# Altium PCB PCB main.PcbDoc (part 1 of 2)
Units mm, origin at the board's own origin, x right, y up, seen from the top; angles counter-clockwise.
Board outline 160 x 160 mm, 2 copper layers (Top Layer, Bottom Layer); 108 components, 108 nets, 489 pads, 66 vias.
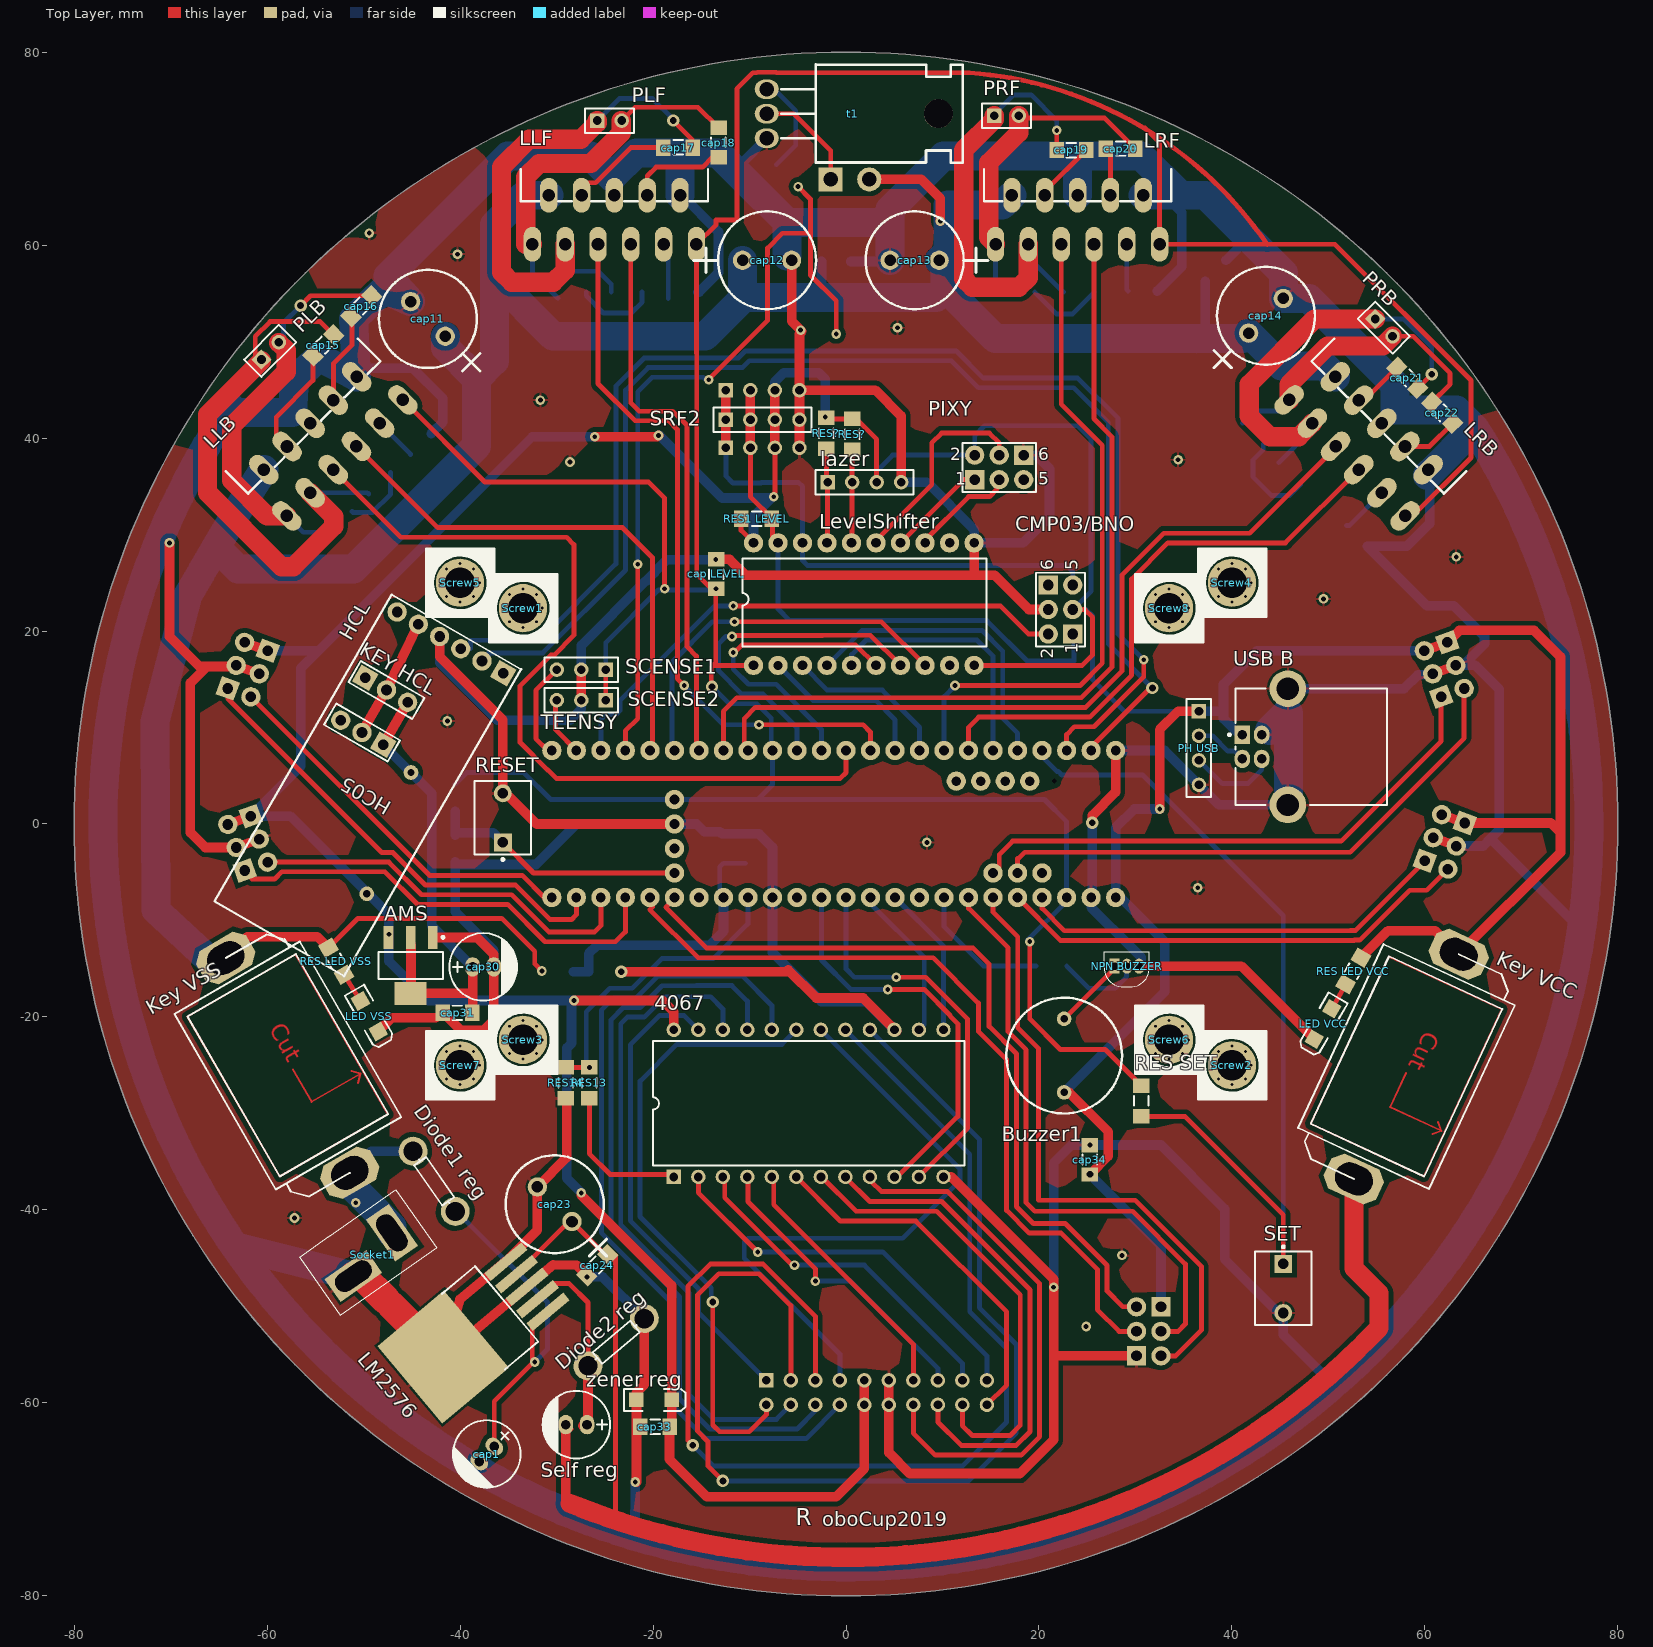
[diagram p0: Top Layer view]
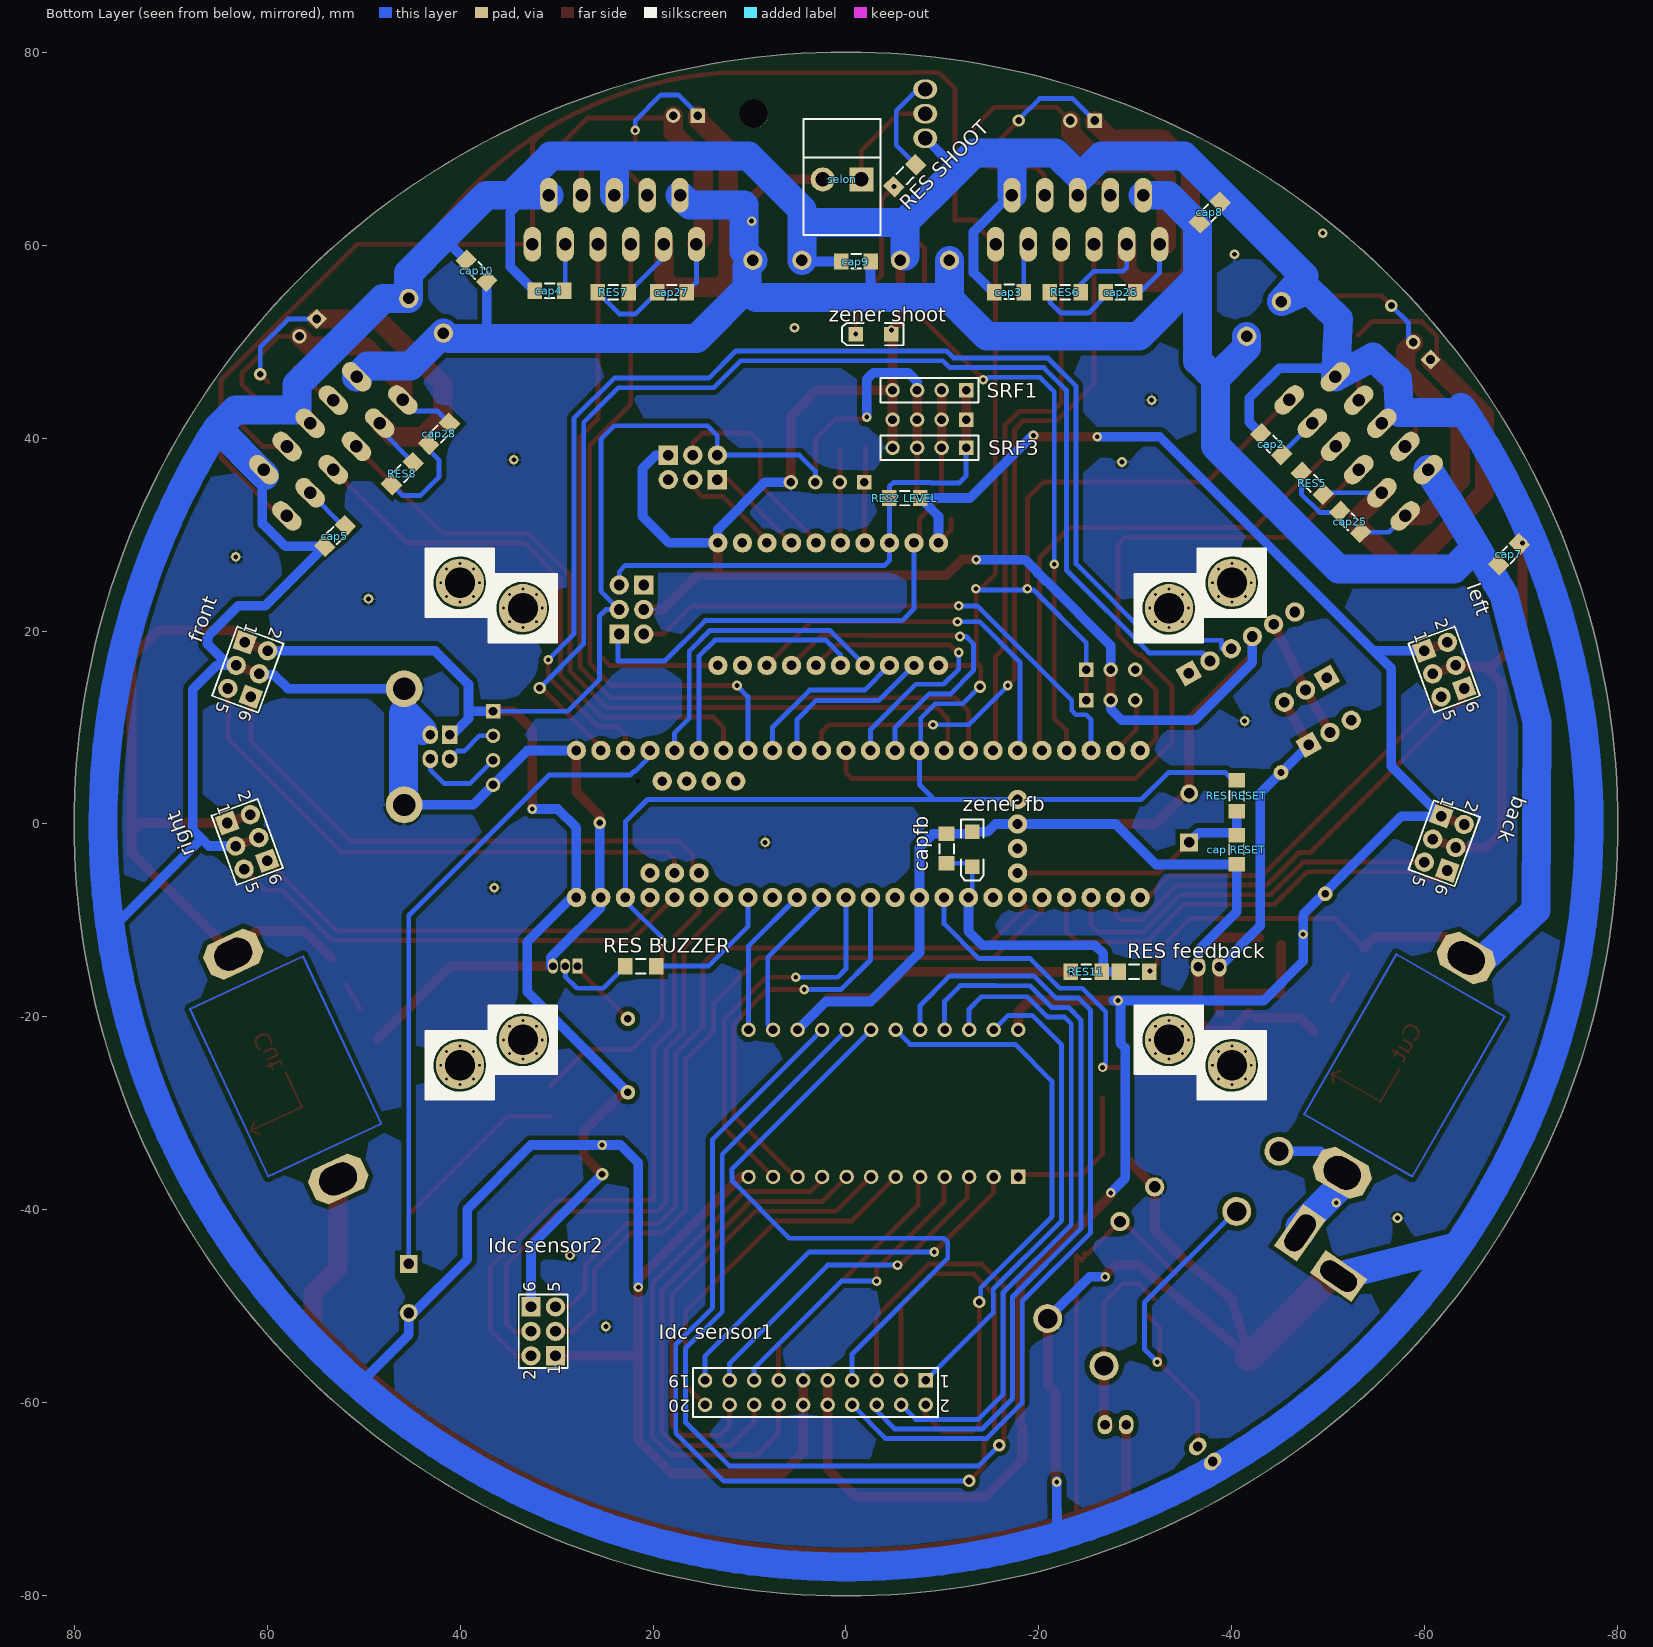
[diagram p1: Bottom Layer view, seen from below]
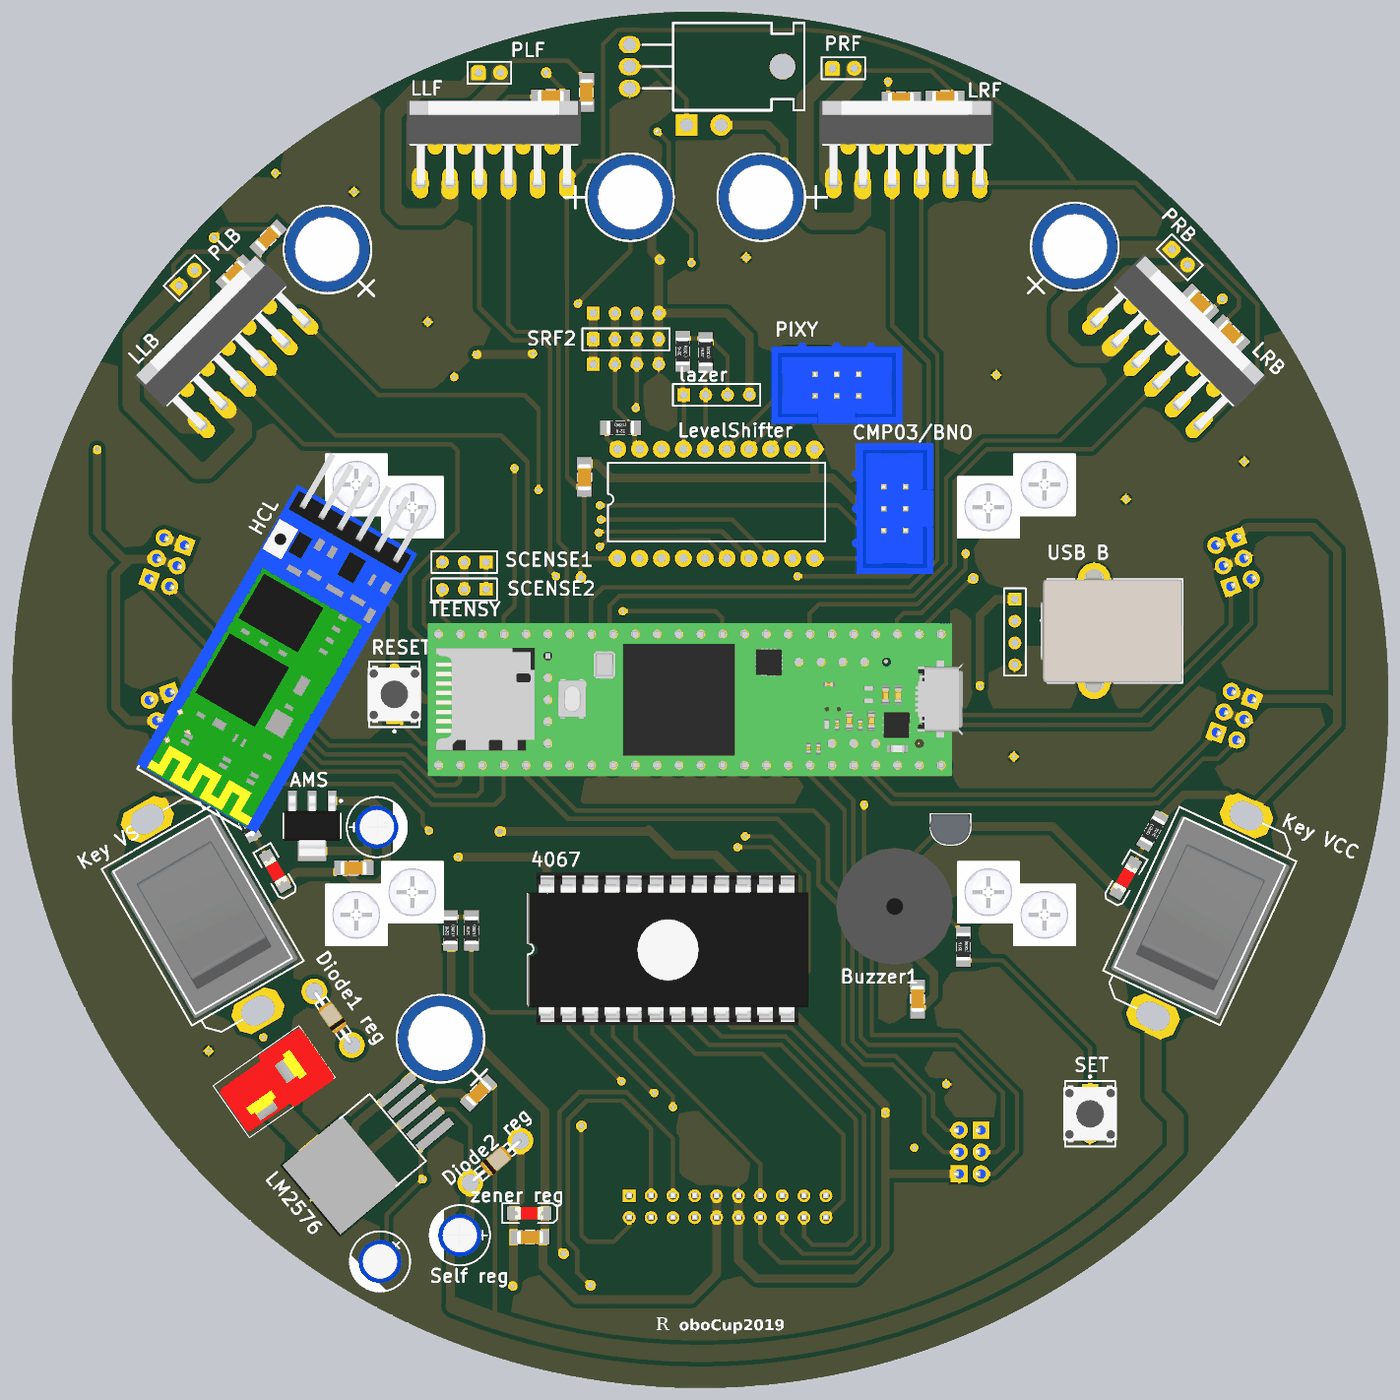
[diagram p3: 3D render of the assembled board from above, using the file's embedded part models]
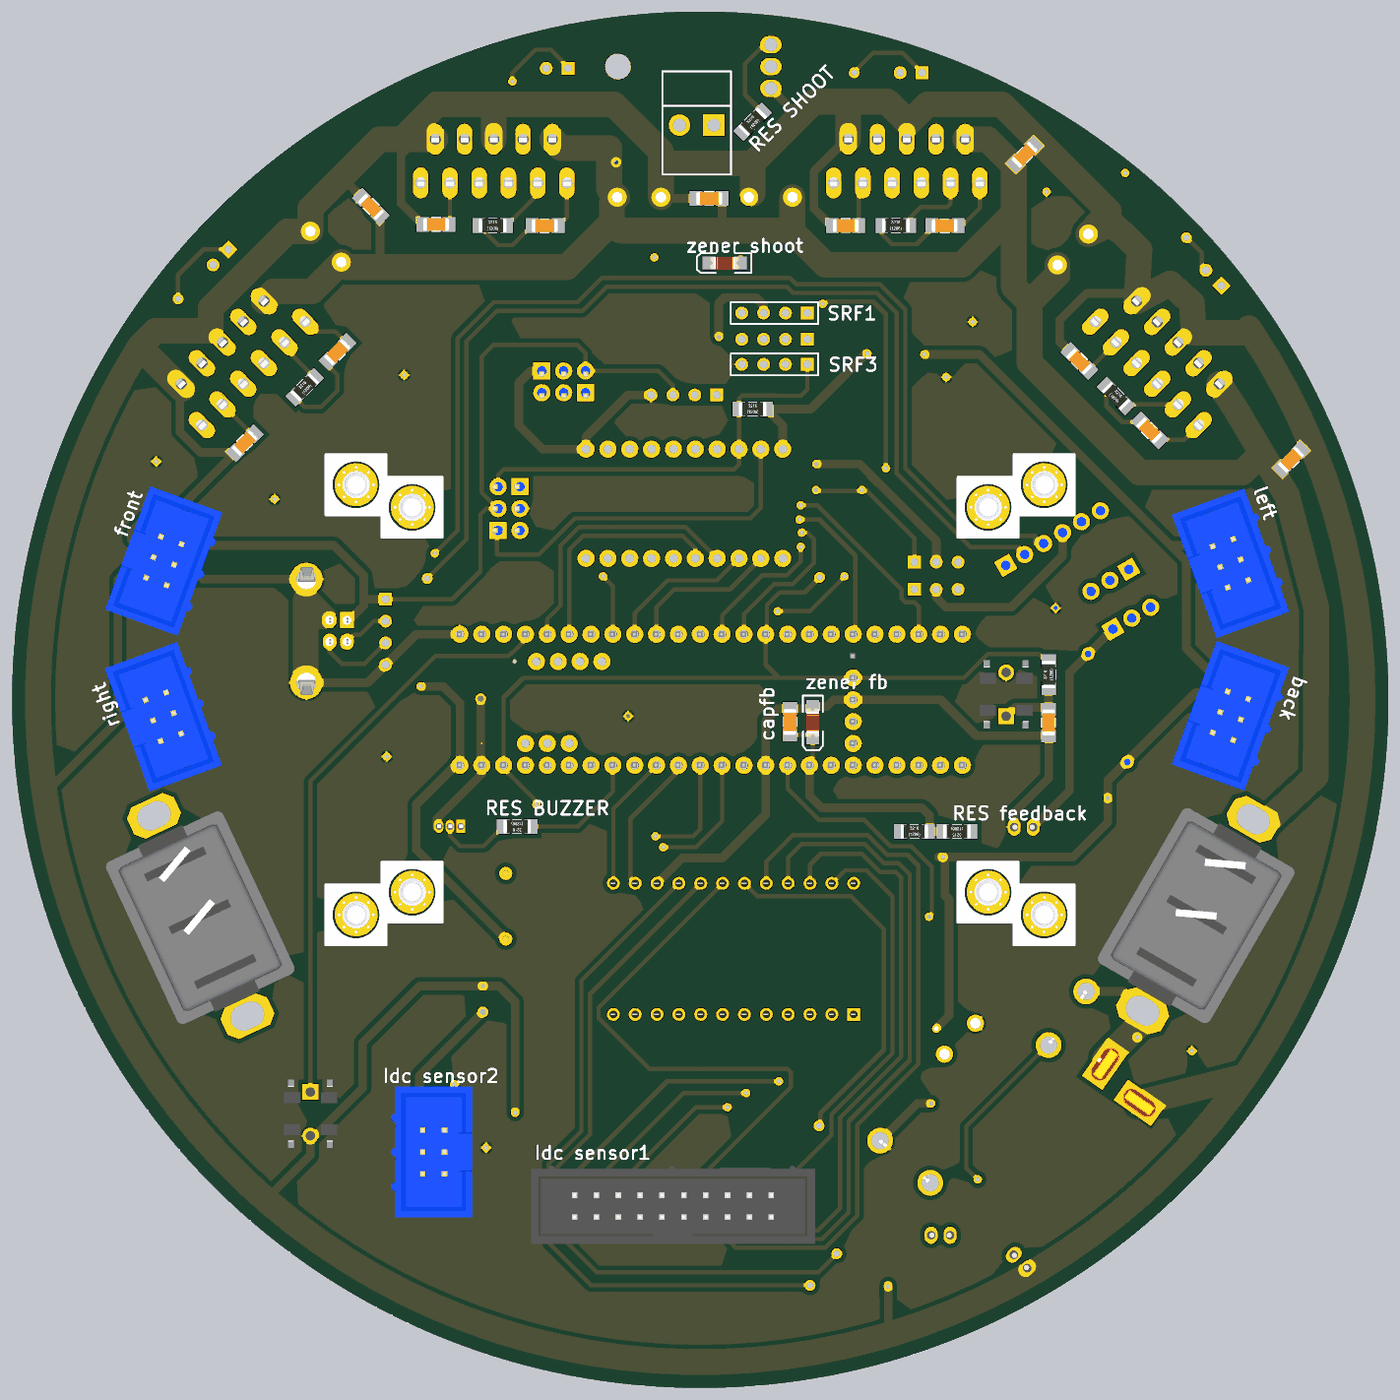
[diagram p4: 3D render of the assembled board from below, using the file's embedded part models]

## Layer stack, top to bottom
Top Solder: solder mask 0.0102, Solder Resist, Dk 3.5
Top Layer: signal copper 0.0356
Dielectric 1: dielectric 0.32, FR-4, Dk 4.8
Bottom Layer: signal copper 0.0356
Bottom Solder: solder mask 0.0102, Solder Resist, Dk 3.5

## Board outline
-80,0 ccw(c0,0) 0,-80 ccw(c0,0) 80,0 ccw(c0,0) 0,80 ccw(c0,0)

## Design rules (kind name [scope] priority, off if disabled: settings)
Clearance [All] p1: gap=0.5 ignorepadtopadclearanceinfootprint=FALSE
HoleSize [All] p1: absolutevalues=TRUE maxlimit=4 minlimit=0.025 maxpercent=80.000 minpercent=20.000
PolygonConnect [All] p1: connectstyle=Relief reliefconductorwidth=0.254 reliefentries=4 polygonreliefangle="90 Angle" airgapwidth=0.254
RoutingVias [All] p1: holewidth=0.711 width=1.27 viastyle="Through Hole" minholewidth=0.711 minwidth=1.27 maxholewidth=0.711 maxwidth=1.27
SolderMaskExpansion [All] p1: expansion=0.102
Width [All] p1: maxlimit=3 minlimit=0.5 preferedwidth=1
29 further rules are at their usual default settings.

## Components (designator, comment, footprint, x,y, rotation, side; value= is the part's Value field where it differs from the comment)
4067 "4067 DIP" "4067 DIP" -4.064,-28.702 r90 top (schematic designator MULTI1)
AMS "AMS1117" SOT223 -45.085,-14.605 r180 top
back "IDC 2X3" "IDC 2X3" -62,-2 r290 bottom (schematic designator S6)
Buzzer1 "Buzzer" Buzzer 22.606,-24.028 r90 top
cap1 "100uf" "Cap 100uF" -37.083,-65.258 r135 top
cap2 "smd" "Cap SMD" -44.069,39.37 r225 bottom
cap3 "smd" "Cap SMD" -16.89,55.118 r180 bottom
cap4 "smd" "Cap SMD" 30.738,55.245 r180 bottom
cap5 "smd" "Cap SMD" 52.959,29.845 r135 bottom
cap7 "smd" "Cap SMD" -68.707,27.94 r315 bottom
cap8 "smd" "Cap SMD" -37.719,63.373 r315 bottom
cap9 "smd" "Cap SMD" -1.016,58.293 r180 bottom
cap10 "smd" "Cap SMD" 38.292,57.342 r225 bottom
cap11 "1000uf" "Cap 1000uf" -43.361,52.378 r315 top
cap12 "1000uf" "Cap 1000uf" -8.128,58.42 r180 top
cap13 "1000uf" "Cap 1000uf" 7.061,58.42 r0 top
cap14 "1000uf" "Cap 1000uf" 43.561,52.705 r225 top
cap15 "smd" "Cap SMD" -54.164,49.595 r45 top
cap16 "smd" "Cap SMD" -50.227,53.659 r45 top
cap17 "smd" "Cap SMD" -17.4,70.104 r0 top
cap18 "smd" "Cap SMD" -13.208,70.613 r90 top
cap19 "smd" "Cap SMD" 23.367,69.85 r180 top
cap20 "smd" "Cap SMD" 28.448,69.977 r0 top
cap21 "smd" "Cap SMD" 58.166,46.228 r315 top
cap22 "smd" "Cap SMD" 61.787,42.605 r135 top
cap23 "1000uf" "Cap 1000uf" -30.226,-39.37 r315 top
cap24 "smd" "Cap SMD" -25.773,-45.72 r45 top
cap25 "smd" "Cap SMD" -52.259,31.307 r45 bottom
cap26 "smd" "Cap SMD" -28.449,55.118 r0 bottom
cap27 "smd" "Cap SMD" 18.033,55.118 r0 bottom
cap28 "smd" "Cap SMD" 42.164,40.448 r315 bottom
cap30 "100uf" "Cap 100uF" -37.719,-14.732 r270 top
cap31 "smd" "Cap SMD" -40.259,-19.558 r180 top
cap33 "smd" "Cap SMD" -19.812,-62.484 r0 top
cap34 "smd" "Cap SMD" 25.273,-34.798 r90 top
"cap LEVEL" "smd" "Cap SMD" -13.462,25.909 r270 top
"cap RESET" "smd" "Cap SMD" -40.495,-2.667 r90 bottom
capfb "smd" "Cap SMD" -10.414,-2.54 r270 bottom (schematic designator cap32)
CMP03/BNO "IDC 2X3" "IDC 2X3" 22.225,22.225 r90 top (schematic designator CMO03/BNO)
"Diode1 reg" "Diode" Diode -42.672,-37.084 r125 top (schematic designator "Diode reg")
"Diode2 reg" "Diode" Diode -23.876,-53.721 r40 top (schematic designator Diode1)
front "IDC 2X3" "IDC 2X3" 62,16 r290 bottom (schematic designator S3)
HCL "HC05" HC05 -47.979,5.217 r150 top
"Idc sensor1" "IDC2x10" "IDC 2x10" -8.255,-57.658 r0 bottom (schematic designator Socket1)
"Idc sensor2" "IDC 2X3" "IDC 2X3" 31.377,-52.578 r90 bottom (schematic designator S2)
"KEY HCL" "KEY 2ST" "KEY 2ST" -48.895,11.684 r150 top
"Key VCC" "Power Key" "Power Key" 58,-25 r245 top
"Key VSS" "Power Key" "Power Key" -58,-25 r300 top
lazer "Header 4" HDR1X4 -1.905,35.433 r0 top (schematic designator SRF2)
"LED VCC" "SMD" "LED SMD" 49.276,-20.956 r240 top
"LED VSS" "SMD" "LED SMD" -49.276,-20.193 r300 top
left "IDC 2X3" "IDC 2X3" -62,16 r250 bottom (schematic designator S5)
LevelShifter "LevelShifter" CJMCU -9.585,16.434 r90 top
LLB "L6203" MultiWatt11 -54,40 r45 top
LLF "L6203" MultiWatt11 -24,63 r0 top
LM2576 "LM2576" D2PAK -38.989,-52.959 r220 top (schematic designator Regulator1)
LRB "L6203" MultiWatt11 54,40 r315 top
LRF "L6203" MultiWatt11 24,63 r0 top
"NPN BUZZER" "N2222A" NPN 29.1,-14.732 r180 top
"PH USB" "Header 4" HDR1X4 36.576,11.684 r270 top
PIXY "IDC 2X3" "IDC 2X3" 15.875,36.957 r0 top
PLB "Header 2" HDR1X2 -60.579,48.133 r45 top
PLF "Header 2" HDR1X2 -25.781,72.898 r0 top
PRB "Header 2" HDR1X2 54.846,52.342 r315 top